# KiCad board audio-latency-tester-board.kicad_pcb (continued)
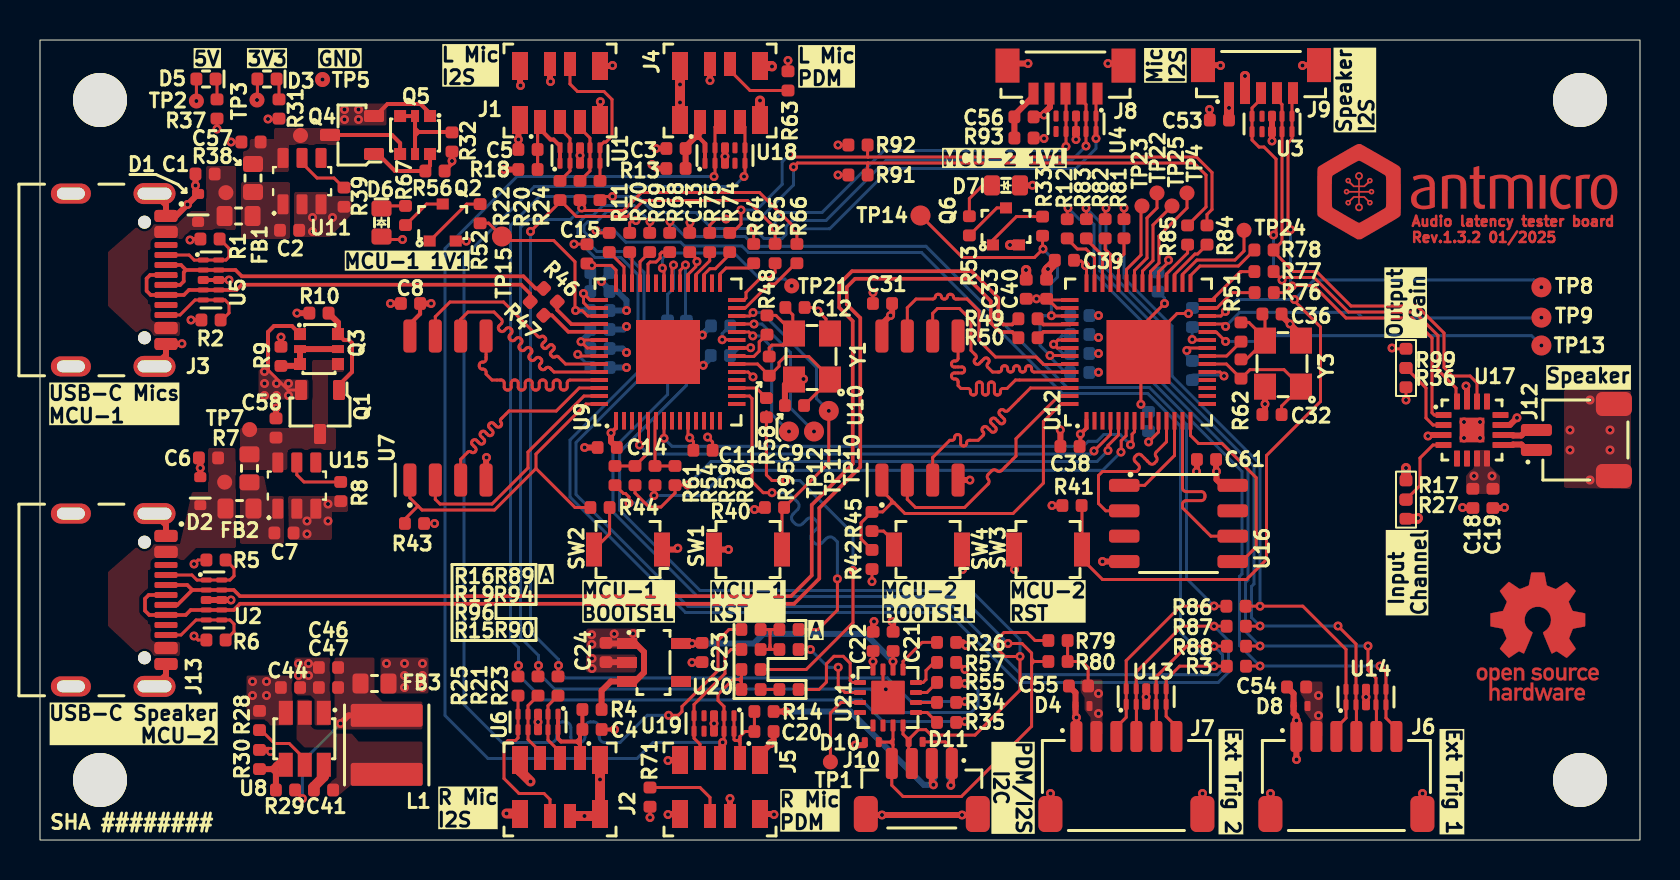
[diagram p0: board, top side]
## Routing (per net, layer and track width the routed paths; a pad name or vN(x,y) marks a point on that pad's centre or on a via; arc(x,y) is an arc through that point) (continued)
  Top w0.5: v1(36.6,38.67) 36.57,38.7 J4.MP ; J4.MP v1(32,36.88) v1(32,37.78) J4.MP ; v1(49.3,28.5) 49.31,28.49 C33.1 ; J2.MP 24,3.45 v1(24.53,2.93) ; Q6.2 48.5,29.75 v1(48.5,29.75) ; J2.2 v1(27.22,1.2) 27.9,1.2 J2.MP v1(28,3.03) J2.MP ; C39.1 50.74,28.89 v1(50.4,28.55) 50.4,28.53 50.33,28.46 C40.1 ; J4.MP v1(36,36.97) ; J9.2 v1(60.25,38.2) ; R17.1 v1(68.3,18.6) ; J2.MP 23.97,1.32 v1(23.33,1.32)
  Bottom w0.15: v1(52.93,26.22) 52.92,26.22 C52.1 ; 52.47,25.21 52.84,25.21 v1(52.93,25.12) ; v1(57.43,26.33) 57.62,26.53 C42.1 ; v1(55.04,21.78) C34.1 ; C50.1 v1(52.93,24.33) ; v1(52.93,23.39) 52.91,23.38 C51.1 ; v1(59.2,23.2) 59.16,23.25 57.62,23.25 ; v1(56.22,26.83) 56.22,27.09 C43.1
  Bottom w0.3: C59.1 28.47,28.33 v1(28.07,27.92) 28.47,27.53 C10.1 28.88,27.42 29.32,26.97 v1(29.32,26.47) C35.1 ; C30.1 v1(29.32,23.62) ; C17.1 33.12,25.28 v1(33.12,25.25) ; v1(29.32,25.67) 29.18,25.53 C29.1 ; C16.1 29.12,24.58 v1(29.32,24.38) ; 45.54,3.05 45.44,3.15 ; v1(45.54,2.74) 45.54,3.2 ; 33.62,24.22 33.62,24.19 v1(33.16,23.73)
  vias: v1(12.92,8.82) v1(12.92,8.22) v1(13.35,15.95) v1(13.35,15.3) v1(13.42,8.82) v1(13.42,8.22) v1(13.62,31.12) v1(13.62,30.42) v1(14.12,38.03) v1(14.4,16.8) v1(14.4,15.95) v1(14.62,31.12) v1(27.6,9.07) v1(27.6,8.57) v1(71.2,20.9) v1(71.2,20.1) v1(72,20.9) v1(72,20.1) v1(76.5,20.5) v1(76.5,19.5) v1(77.5,22) v1(77.5,18) v1(78.5,20.5) v1(78.5,19.5)
/2xUSB + Power/USB1.D_N: length 21.6
  Top w0.182: 6.78,27.81 6.72,27.75 J3.A7 ; 6.26,27.71 J3.A7 ; J3.A7 7.01,27.75 7.19,27.93 7.19,28.39 7.3,28.5 ; 7.3,28.5 U5.2 U5.9 9.78,28.5 10.09,28.19 24.17,28.19 24.78,27.58 R46.1 ; 7.3,28.5 7.05,28.75 J3.B7 6.26,28.79 ; 25.23,27.36 25.23,27.39
/2xUSB + Power/USB1.D_P: length 22.2
  Top w0.182: R47.1 24.51,27.31 24.06,27.77 10.09,27.77 9.83,27.5 U5.7 U5.4 7.45,27.5 7.2,27.25 J3.B6 5.53,27.25 5.33,27.45 5.33,28.08 5.5,28.25 J3.A6 6.72,28.25 6.78,28.19
/2xUSB + Power/USB1_CC1: length 4.4
  Top w0.15: R1.1 9.45,29.58 9.45,29.15 9.3,29 U5.10 U5.1 8.16,29 7.71,29 7.45,29.25 J3.A5
/2xUSB + Power/USB1_CC2: length 4.6
  Top w0.15: R2.1 9.1,26 9.45,26.35 9.45,26.8 9.25,27 U5.6 U5.5 7.75,27 7,26.25 J3.B5
/2xUSB + Power/USB1_VBUS: length 4.2
  Top w0.2: Q5.4 18,34.84 17.6,35.25 Q4.3
/2xUSB + Power/USB2.D_N: length 61.3
  Top w0.182: J13.B7 7.36,12.75 7.61,12.5 ; J13.A7 6.87,11.75 7.61,12.5 ; R49.1 48.9,26.06 48.61,25.78 48.17,25.78 47.92,26.03 47.92,27.1 46.58,28.44 40.6,28.44 39.96,27.8 39.96,26.62 40.64,25.95 40.64,18.8 38.59,16.75 38.59,13.23 37.55,12.19 10,12.19 9.69,12.5 U2.2 7.61,12.5
/2xUSB + Power/USB2.D_P: length 62.6
  Top w0.182: J13.A6 5.44,12.25 5.25,12.06 5.25,11.47 5.46,11.25 J13.B6 7.29,11.25 7.54,11.5 U2.4 9.69,11.5 10,11.81 37.7,11.81 38.96,13.07 38.96,16.6 41.01,18.65 41.01,26.1 40.34,26.78 40.34,27.65 40.75,28.06 46.42,28.06 47.54,26.95 47.54,25.87 48.01,25.4 48.61,25.4 48.9,25.11 R50.1
/2xUSB + Power/USB2_CC1: length 4.6
  Top w0.15: R5.1 9.7,13.58 9.7,13.2 9.5,13 U2.1 7.84,13 7.59,13.25 J13.A5
/2xUSB + Power/USB2_CC2: length 4.8
  Top w0.15: R6.1 9.7,10.42 9.7,10.8 9.5,11 U2.6 U2.5 7.8,11 7.05,10.25 J13.B5
/AMP + Speaker Connector/GAIN: length 3.9
  Top w0.15: 70.18,20.75 69.65,20.75 69.3,21.1 69.3,22.6 R99.1
/AMP + Speaker Connector/I2S.SCK: length 23.7
  Top w0.15: v1(61.68,30.25) 61.8,30.38 61.8,34.05 61.2,34.65 60.95,34.65 60.6,35 U3.5 60.6,36.6 61.05,37.05 J9.3 ; U17.16 70.8,21.97 70.8,22.6 69.9,23.5 69.9,25.22 68.72,26.4 65.42,26.4 63.7,28.12 62.22,28.12 v1(62.1,28) R77.2
  Bottom w0.15: v1(62.1,28) 61.68,28.42 v1(61.68,30.25)
/AMP + Speaker Connector/I2S.SD: length 23.4
  Top w0.15: v1(62.52,30.52) 62.43,30.52 62.4,30.55 62.4,34.85 62.6,35.05 62.6,37.3 J9.5 ; R76.2 62.28,27.37 v1(62.61,27.7) 62.63,27.72 63.68,27.72 65.3,26.1 68.6,26.1 69.6,25.1 69.6,21.36 69.71,21.25 70.18,21.25
  Bottom w0.15: v1(62.52,30.52) 62.52,27.82 62.61,27.74 v1(62.61,27.7)
/AMP + Speaker Connector/I2S.WS: length 23
  Top w0.15: U17.14 71.85,22.86 71.51,23.2 70.62,23.2 70.2,23.62 70.2,25.35 68.85,26.7 65.55,26.7 63.82,28.42 62.68,28.42 61.68,29.42 R78.2 62.1,29.92 U3.2 62.1,36.78 61.85,37.03 J9.4
/AMP + Speaker Connector/SPK_N: length 1.9
  Top w0.3: U17.10 73.63,20.25 73.65,20.22 74.07,20.22 74.34,20.5 J12.2
/AMP + Speaker Connector/SPK_P: length 1.9
  Top w0.3: J12.1 74.34,19.5 74.07,19.78 73.65,19.78 73.63,19.75 U17.9
/AMP + Speaker Connector/~{SD_MODE}: length 3.8
  Top w0.15: 70.18,19.75 69.65,19.75 69,19.1 69,17.72 R27.1
/IO/TRIGGER1.TRIG1: length 33.8
  Top w0.15: 54.2,31.04 54.2,31.6 v1(54.2,31.6) ; R86.1 v1(61,11.69) 63.14,11.69 65.3,9.53 U14.10 U14.1 65.3,6.1 64.82,5.62 64.82,5.18
  Bottom w0.15: v1(61,11.69) 61,18.8 56.6,23.2 56.6,25.7 54.2,28.1 v1(54.2,31.6)
/IO/TRIGGER1.TRIG2: length 35.3
  Top w0.15: v1(64.9,10.7) 65.8,9.8 U14.9 U14.2 65.82,6.74 65.82,5.18 ; R87.1 60.99,10.69 v1(61,10.7) ; v1(53.3,31.6) 53.26,31.56 53.26,31.04
  Bottom w0.15: v1(53.3,31.6) 53.3,28.58 56.3,25.58 56.3,23.08 60.7,18.68 60.7,12.8 60.57,12.67 60.57,11.12 v1(61,10.7) v1(64.9,10.7)
/IO/TRIGGER1.TRIG3: length 37
  Top w0.15: R88.1 60.31,9.7 v1(61,9.7) ; v1(52.3,31.6) 52.32,31.58 52.32,31.04 ; 66.82,5.18 66.82,6.74 U14.4 U14.7 66.8,8.1 66.4,8.5 v1(66.4,9.7)
  Bottom w0.15: v1(66.4,9.7) v1(61,9.7) 60.28,10.43 60.28,12.88 60.4,13 60.4,18.55 56,22.95 56,25.45 53,28.45 53,30.9 v1(52.3,31.6)
/IO/TRIGGER1.TRIG4: length 38.4
  Top w0.15: R3.1 60.31,8.7 v1(61,8.7) ; v1(67,8.7) 67.3,8.4 U14.6 U14.5 67.3,6.1 67.82,5.58 67.82,5.18 ; R12.2 51.36,31.56 v1(51.4,31.6)
  Bottom w0.15: v1(67,8.7) v1(61,8.7) 59.97,9.72 59.97,13.17 60.1,13.3 60.1,18.43 55.7,22.83 55.7,25.33 52.7,28.33 52.7,30.78 52.44,31.04 51.96,31.04 v1(51.4,31.6)
/IO/TRIGGER2.TRIG1: length 50.4
  Top w0.15: R86.2 58.71,11.69 v1(58.7,11.7) 58.69,11.69 57.03,11.69 54.31,8.97 U13.1 54.31,6.13 53.82,5.65 53.82,5.18 ; R68.2 31.49,30.91 v1(31.5,30.92)
  Bottom w0.15: v1(58.7,11.7) 57.32,13.08 57.32,20.78 55.47,22.62 51.36,22.62 44.3,29.69 35.75,29.69 35.26,30.17 32.25,30.17 v1(31.5,30.92)
/IO/TRIGGER2.TRIG2: length 70.2
  Top w0.15: R87.2 v1(58.7,10.69) 57.1,10.69 54.81,8.4 U13.2 54.82,6.77 54.82,5.18 ; R69.2 30.49,30.91 v1(30.5,30.92)
  Bottom w0.15: v1(58.7,10.69) 59.43,9.97 59.43,8.39 58.91,7.88 48.9,7.88 45.4,11.38 32.28,11.38 26.5,17.15 26.5,20 29.9,23.4 29.9,28.26 29.03,29.12 27.75,29.12 27.3,29.58 27.3,29.92 26.9,30.33 26.9,30.83 27.3,31.22 27.65,31.22 28.15,31.72 29.7,31.72 v1(30.5,30.92)
/IO/TRIGGER2.TRIG3: length 65.5
  Top w0.15: R70.2 29.49,30.86 29.6,30.97 v1(29.8,30.97) ; R88.2 v1(58.7,9.69) 57.34,9.69 55.81,8.16 U13.4 55.82,6.77 55.82,5.18
  Bottom w0.15: v1(29.8,30.97) 29.35,31.42 28.35,31.42 27.85,30.92 27.4,30.92 27.2,30.72 27.2,30.42 27.6,30.03 27.6,29.67 27.85,29.42 29.16,29.42 30.2,28.38 30.2,23.28 26.8,19.88 26.8,17.28 32.4,11.68 45.65,11.68 49.06,8.26 58.88,8.26 59.12,8.51 59.12,9.26 v1(58.7,9.69)
/IO/TRIGGER2.TRIG4: length 53
  Top w0.15: R3.2 v1(58.7,8.69) 56.98,8.69 56.31,8.02 U13.5 56.31,6.18 56.82,5.67 56.82,5.18 ; v1(27.8,30.47) 27.92,30.36 R11.2
  Bottom w0.15: v1(27.8,30.47) 28.71,30.47 29.29,29.89 32.03,29.89 32.22,29.7 35.1,29.7 35.43,29.38 44.07,29.38 51.12,22.33 55.39,22.33 57.03,20.69 57.03,10.37 v1(58.7,8.69)
/L + R I2S Microphone Connectors/L-BCLK: length 3.4
  Top w0.15: J1.3 26,35.58 26.5,35.08 U1.9 U1.2 26.5,33.45 R22.1
/L + R I2S Microphone Connectors/L-DATA: length 3.4
  Top w0.15: R20.1 27.5,33.45 U1.4 U1.7 27.5,35.1 27,35.6 J1.5
/L + R I2S Microphone Connectors/L-PWR: length 7.2
  Top w0.15: 24.88,35.78 C5.2 R18.1 24.88,35.78 ; 24.88,35.78 J1.1
  Top w0.2: J1.1 25,35.55 25.53,35.03 25.67,35.03 26,34.7 U1.10 U1.1
/L + R I2S Microphone Connectors/L-R-Mic.SCK: length 78.7
  Top w0.15: v1(46.25,6.93) 45.85,6.93 R34.2 ; v1(25.92,8.72) 25.9,8.7 R23.2 ; J8.3 51.3,37.29 U4.4 U4.7 51.3,34.68 v1(51.3,34.67) ; R65.2 v1(36.75,30.58) 36.75,30.6 35.38,31.97 30.18,31.97 29.38,31.17 26.82,31.17 26,32 26,31.9 v1(24.53,30.42)
  Bottom w0.15: v1(24.53,30.42) 24.53,10.43 25.92,9.03 v1(25.92,8.72) 25.92,8.45 26.27,8.1 42.37,8.1 43.55,6.93 v1(46.25,6.93) ; v1(36.75,30.58) 36.75,31.03 37.1,31.38 39.1,31.38 42.2,34.47 51.1,34.47 v1(51.3,34.67)
/L + R I2S Microphone Connectors/L-R-Mic.SD: length 84.2
  Top w0.15: J8.5 52.8,37.25 U4.1 U4.10 v1(52.8,35.08) ; R66.2 37.84,30.51 v1(37.79,30.56) 35.97,32.38 30.07,32.38 29.18,31.47 27.17,31.47 27,31.65 27,32 ; v1(46.25,7.82) 45.87,7.82 R55.2 ; v1(24.92,8.72) 24.9,8.7 R21.2
  Bottom w0.15: v1(27.09,31.6) 27.09,31.59 26.53,31.03 24.42,31.03 24.03,30.62 24.03,10.12 24.92,9.22 v1(24.92,8.72) 24.92,8.35 25.73,7.54 41.53,7.54 42.7,6.38 46.55,6.38 46.9,6.72 46.9,7.47 46.55,7.82 v1(46.25,7.82) ; v1(37.79,30.56) 39.49,30.56 42.5,33.58 51.8,33.58 52.8,34.58 v1(52.8,35.08)
/L + R I2S Microphone Connectors/L-R-Mic.WS: length 83.5
  Top w0.15: v1(35.7,30.58) 35.69,30.56 R64.2 ; R25.2 23.9,8.7 v1(23.92,8.72) ; J8.4 52.07,37 52.3,36.78 U4.2 U4.9 v1(52.3,34.7) ; v1(28.62,32.17) 28.18,32.17 28,32 ; v1(46.25,5.93) 45.85,5.93 R35.2
  Bottom w0.15: v1(46.25,5.93) 42.15,5.93 41.07,7 25.17,7 23.92,8.25 v1(23.92,8.72) 23.92,9.62 23.53,10.03 23.53,30.72 24.97,32.17 v1(28.62,32.17) 29.9,32.17 30.7,31.38 32.8,31.38 33.6,30.58 v1(35.7,30.58) 36.2,30.08 37.1,30.08 37.3,30.28 37.3,30.68 37.61,30.99 38.19,30.99 38.2,30.97 39.3,30.97 42.3,33.97 51.57,33.97 v1(52.3,34.7)
/L + R I2S Microphone Connectors/L-WS: length 7.8
  Top w0.15: R24.1 28,33.84 U1.5 28,34.7 28.2,34.9 28.3,34.9 28.6,35.2 28.6,37.03 28.2,37.42 26.88,37.42 26.5,37.8 J1.4
/L + R I2S Microphone Connectors/R-BCLK: length 3.6
  Top w0.15: J2.3 26,4.4 25.4,5 U6.2 25.4,6.72 R23.1
/L + R I2S Microphone Connectors/R-DATA: length 3.6
  Top w0.15: R21.1 24.4,6.72 U6.4 U6.7 24.4,5.02 25,4.43 J2.5
/L + R I2S Microphone Connectors/R-PWR: length 5.8
  Top w0.2: 27,5.07 J2.1 27,4.78 26.85,4.93 ; 27,5.07 27,5.41 C4.2 R4.1 ; 27,5.07 26.85,4.93 ; 26.85,4.93 26.05,4.93 25.9,5.07 U6.10 U6.1
/L + R I2S Microphone Connectors/R-WS: length 8.2
  Top w0.15: R25.1 23.9,7.22 U6.5 23.9,5.1 23.78,4.97 23.4,4.97 23.2,4.78 23.2,3.07 23.95,2.32 25.2,2.32 25.5,2.03 J2.4
/L + R PDM Microphone Connectors + I2S Converter/I2C.SCL: length 51.2
  Top w0.15: 42.65,5.03 42.65,4.76 ; 42.65,5.03 U21.7 ; 42.65,5.03 42.65,5.03 42.52,4.9 ; 42.65,4.76 42.52,4.9 ; 42.65,4.76 42.65,3.88 J10.4 42.59,2.74 43.15,2.18 46.07,2.18 49.58,5.69 49.58,8.78 ; 49.58,9.07 49.58,9.34 49.1,9.82 v1(48.4,9.82) ; 49.58,9.07 49.58,9.04 49.7,8.93 ; 49.58,9.07 49.58,8.93 ; 42.52,4.9 D10.2 ; R80.1 49.7,8.93 ; 49.7,8.93 49.58,8.81 49.58,8.78 ; 49.7,8.93 49.58,8.93 ; 49.58,8.93 49.58,8.78
  Bottom w0.15: R73.2 31.38,22.28 28.65,19.54 28.65,16.41 32.88,12.17 46.05,12.17 v1(48.4,9.82)
/L + R PDM Microphone Connectors + I2S Converter/I2C.SDA: length 48.7
  Top w0.15: D11.2 43.43,5.01 43.15,5.29 U21.8 ; D11.2 43.43,5.03 43.92,5.51 44.29,5.51 44.56,5.25 46.75,5.25 49,7.5 v1(49,9.18) 48.25,9.18 47.9,9.53 47.9,10.07 48.2,10.38 49.35,10.38 49.75,9.97 R79.1 ; D11.2 43.43,3.98 J10.3
  Bottom w0.15: v1(49,9.18) 49,10.03 46.55,12.47 33,12.47 28.98,16.5 28.98,19.39 32.32,22.73 R72.2
/L + R PDM Microphone Connectors + I2S Converter/L-PDM-DATA: length 62.1
  Top w0.15: R16.1 34.45,10.53 33.9,9.97 33.9,8.47 32.1,6.68 32.1,6.43 31.91,6.24 v1(31.43,6.24) ; J4.5 35.25,35.65 U18.6 U18.5 35.25,33.22 v1(35.2,33.17)
  Bottom w0.15: v1(31.43,6.24) 30.36,6.24 29,4.88 28.24,4.88 arc(28.04,4.96) 27.96,5.16 27.96,5.62 arc(27.88,5.82) 27.68,5.91 27.53,5.91 arc(27.33,5.82) 27.25,5.62 27.25,5.16 arc(27.17,4.96) 26.97,4.88 26.82,4.88 arc(26.62,4.96) 26.54,5.16 26.54,5.62 arc(26.46,5.82) 26.26,5.91 26.11,5.91 arc(25.91,5.82) 25.83,5.62 25.83,5.16 arc(25.75,4.96) 25.55,4.88 23.1,4.88 21.2,6.78 21.2,29.15 24.72,32.67 34.7,32.67 v1(35.2,33.17)
/L + R PDM Microphone Connectors + I2S Converter/L-PWR: length 5.1
  Top w0.2: J4.1 32.97,35.88 32.97,35.1 ; 32.97,35.1 33.25,34.83 U18.10 U18.1 ; 32.97,35.1 32.72,35.1 32.69,35.08
  Top w0.3: J4.1 33,35.39 32.28,34.67 C3.2 R13.1
/L + R PDM Microphone Connectors + I2S Converter/L-R-Mic.CLOCK: length 18.7
  Top w0.15: v1(40.65,13.47) 40.65,10.87 38.31,8.53 R96.1 ; 36.32,21.42 36.32,18.25 36.6,17.97 v1(37.29,17.97)
  Bottom w0.15: v1(37.29,17.97) 37.99,17.97 40.65,15.31 v1(40.65,13.47)
/L + R PDM Microphone Connectors + I2S Converter/L-R-Mic.DATA: length 18.7
  Top w0.15: 34.8,22.2 35.47,22.2 35.6,22.08 35.6,17.92 36.16,17.36 v1(36.6,17.36) ; R89.2 38.9,10.53 39.87,11.5 v1(39.87,13.06)
  Bottom w0.15: v1(36.6,17.36) 37.41,17.36 37.87,16.9 arc(37.95,16.71) 37.87,16.52 37.66,16.3 arc(37.58,16.11) 37.66,15.92 37.75,15.82 arc(37.94,15.74) 38.14,15.82 38.35,16.04 arc(38.55,16.12) 38.74,16.04 38.83,15.94 arc(38.91,15.75) 38.83,15.56 38.62,15.34 arc(38.54,15.15) 38.62,14.95 38.71,14.86 arc(38.91,14.78) 39.1,14.86 39.32,15.08 arc(39.51,15.15) 39.7,15.08 39.87,14.91 v1(39.87,13.06)
/L + R PDM Microphone Connectors + I2S Converter/PDM-CLK: length 62.7
  Top w0.15: v1(33.7,33.17) 33.75,33.22 U18.2 U18.9 33.75,35.65 J4.3 ; 35.07,8.12 R15.2 35.07,7.91 34.95,8.03 ; 35.07,8.12 R96.2 ; 35.07,8.12 34.97,8.03 34.95,8.03 ; J5.3 34,4.75 34.2,4.95 U19.9 U19.2 34.2,6.68 33.9,6.97 33.9,7.28 34.65,8.03 34.95,8.03
  Bottom w0.15: v1(33.7,33.17) 23.85,33.17 20.25,29.58 20.25,6.22 22.4,4.07 29.85,4.07 30.66,4.88 v1(34.13,4.88)
/L + R PDM Microphone Connectors + I2S Converter/PDM-CONV-CLOCK: length 0.9
  Top w0.15: R90.1 R15.1
/L + R PDM Microphone Connectors + I2S Converter/PDM-CONV-DATA: length 4.5
  Top w0.15: U21.2 40.25,7.38 39.91,7.72 v1(39.91,8.63) ; v1(38.52,9.53) R94.1
  Bottom w0.15: v1(39.91,8.63) 39.41,8.63 v1(38.52,9.53)
/L + R PDM Microphone Connectors + I2S Converter/R-PDM-DATA: length 6.8
  Top w0.15: J5.5 33,4.79 32.7,5.09 U19.6 U19.5 32.7,6.78 34.25,8.32 34.25,9.22 34.55,9.53 R19.1
/L + R PDM Microphone Connectors + I2S Converter/R-PWR: length 4.7
  Top w0.15: 35,4.97 35,4.88 ; 35,4.97 34.9,4.97 ; 35,4.97 35,5.07 ; 35,4.88 34.9,4.97 ; 35,4.88 J5.1 ; 34.9,4.97 34.75,4.97 34.7,5.03 U19.10 U19.1 ; 34.9,4.97 35,5.07 ; 35,5.07 35,5.18 35.25,5.43 C20.2 R14.1
/RP2040 - 1/BOOTSEL: length 2.4
  Top w0.15: SW2.2 28.48,15.3 R44.1
/RP2040 - 1/I2C0.SCL: length 30.8
  Top w0.15: R85.2 58.3,31.65 58.3,33.25 57.7,33.85 41.4,33.85 ; 41.4,33.85 41.38,33.83 R91.1 ; 41.4,33.85 37.88,33.85 v1(37.68,33.65) ; R75.2 33.49,30.73 33.8,31.05 v1(34.3,31.05)
  Bottom w0.15: v1(37.68,33.65) 37.68,32.75 35.97,31.05 v1(34.3,31.05)
/RP2040 - 1/I2C0.SDA: length 30.5
  Top w0.15: v1(37.5,34.28) 37.62,34.15 41.4,34.15 ; R84.2 58.35,31.28 58.6,31.53 58.6,33.37 57.82,34.15 41.4,34.15 ; 41.4,34.15 41.38,34.17 R92.1 ; v1(35.05,31.5) 35.05,30.8 34.6,30.36 R74.2
  Bottom w0.15: v1(35.05,31.5) 35.82,31.5 37.11,32.78 37.11,33.9 37.48,34.28 v1(37.5,34.28)
/RP2040 - 1/QSPI_CSn: length 17.9
  Top w0.15: 28,21.8 27.3,21.8 24.8,19.3 24.8,18.58 ; 18.9,16.7 18.5,17.11 U7.1 ; 18.9,16.7 19.1,16.5 22.72,16.5 24.8,18.58 ; 18.9,16.7 18.25,16.05 R43.2 ; 24.8,18.58 26.75,16.62 R44.2
/RP2040 - 1/QSPI_SCLK: length 12
  Top w0.15: U7.6 21.03,26.03 21.4,26.4 22.7,26.4 23.08,26.03 arc(23.12,25.93) 23.08,25.83 22.95,25.71 arc(22.91,25.61) 22.95,25.51 23,25.46 arc(23.1,25.42) 23.2,25.46 23.32,25.58 arc(23.42,25.62) 23.52,25.58 23.57,25.53 arc(23.61,25.43) 23.57,25.33 23.48,25.25 arc(23.44,25.15) 23.48,25.05 23.53,25 arc(23.63,24.96) 23.73,25 23.82,25.08 arc(23.92,25.13) 24.02,25.08 24.06,25.04 arc(24.11,24.94) 24.06,24.84 23.98,24.75 arc(23.94,24.65) 23.98,24.55 24.03,24.5 arc(24.13,24.46) 24.23,24.5 24.31,24.59 arc(24.41,24.63) 24.51,24.59 24.56,24.54 arc(24.6,24.44) 24.56,24.34 24.47,24.26 arc(24.43,24.16) 24.47,24.06 24.52,24.01 arc(24.62,23.97) 24.72,24.01 24.81,24.09 arc(24.91,24.14) 25.01,24.09 25.05,24.05 arc(25.1,23.95) 25.05,23.85 25,23.8 arc(24.96,23.7) 25,23.6 25.05,23.55 arc(25.15,23.51) 25.25,23.55 25.3,23.6 arc(25.4,23.64) 25.5,23.6 25.7,23.4 28,23.4
/RP2040 - 1/QSPI_SD0: length 12
  Top w0.15: 28,23 26.5,23 arc(26.4,22.96) 26.36,22.86 26.36,22.64 arc(26.32,22.54) 26.22,22.5 26.15,22.5 arc(26.05,22.54) 26.01,22.64 26.01,22.86 arc(25.97,22.96) 25.87,23 25.8,23 arc(25.7,22.96) 25.66,22.86 25.66,22.64 arc(25.62,22.54) 25.52,22.5 25.45,22.5 arc(25.35,22.54) 25.31,22.64 25.31,22.86 arc(25.27,22.96) 25.17,23 25.1,23 arc(25,22.96) 24.96,22.86 24.96,22.64 arc(24.92,22.54) 24.82,22.5 24.75,22.5 arc(24.65,22.54) 24.61,22.64 24.61,22.86 arc(24.57,22.96) 24.47,23 24.4,23 arc(24.3,22.96) 24.26,22.86 24.26,22.64 arc(24.22,22.54) 24.12,22.5 24.05,22.5 arc(23.95,22.54) 23.91,22.64 23.91,22.86 arc(23.87,22.96) 23.77,23 23.7,23 arc(23.6,22.96) 23.56,22.86 23.56,22.64 arc(23.52,22.54) 23.42,22.5 23.35,22.5 arc(23.25,22.54) 23.21,22.64 23.21,22.86 arc(23.17,22.96) 23.07,23 22.6,23 22.3,23.3 22.3,23.41 arc(22.26,23.5) 22.16,23.55 22.1,23.55 arc(22.01,23.59) 21.96,23.69 21.96,23.76 arc(22.01,23.85) 22.1,23.9 22.16,23.9 arc(22.26,23.94) 22.3,24.04 U7.5
/RP2040 - 1/QSPI_SD1: length 12
  Top w0.15: 28,22.2 27.2,22.2 24.4,19.4 24.4,18.6 22.6,16.8 20,16.8 19.77,17.03 U7.2
/RP2040 - 1/QSPI_SD2: length 12
  Top w0.15: 28,22.6 26.96,22.6 25.81,21.45 23.45,21.45 23.05,21.05 arc(23.01,20.97) 23.05,20.88 arc(23.08,20.8) 23.05,20.71 23.01,20.67 arc(22.92,20.63) 22.84,20.67 22.67,20.84 arc(22.58,20.87) 22.5,20.84 22.46,20.79 arc(22.42,20.71) 22.46,20.63 22.63,20.46 arc(22.66,20.37) 22.63,20.29 22.58,20.24 arc(22.5,20.21) 22.41,20.24 22.24,20.41 arc(22.16,20.45) 22.08,20.41 22.03,20.37 arc(22,20.29) 22.03,20.2 22.2,20.03 arc(22.24,19.95) 22.2,19.86 22.16,19.82 arc(22.07,19.79) 21.99,19.82 21.82,19.99 arc(21.74,20.02) 21.65,19.99 21.61,19.95 arc(21.57,19.86) 21.61,19.78 21.78,19.61 arc(21.81,19.52) 21.78,19.44 21.73,19.4 arc(21.65,19.36) 21.56,19.4 arc(21.48,19.43) 21.4,19.4 21.03,19.03 U7.3
/RP2040 - 1/QSPI_SD3: length 12
  Top w0.15: 28,23.8 26.28,23.8 25.91,24.16 arc(25.84,24.19) 25.77,24.16 arc(25.7,24.13) 25.62,24.16 25.54,24.24 arc(25.51,24.31) 25.54,24.39 25.69,24.53 arc(25.72,24.61) 25.69,24.68 25.63,24.75 arc(25.55,24.78) 25.48,24.75 25.33,24.6 arc(25.26,24.57) 25.18,24.6 25.12,24.66 arc(25.09,24.74) 25.12,24.81 25.26,24.96 arc(25.29,25.03) 25.26,25.1 25.2,25.17 arc(25.12,25.2) 25.05,25.17 arc(24.98,25.14) 24.91,25.17 23.17,26.9 20.5,26.9 19.77,26.17 U7.7
/RP2040 - 1/RUN: length 15.6
  Top w0.15: v1(35.65,26.37) 35.48,26.2 34.8,26.2 ; SW1.2 37.1,16.52 R40.2 39.44,18.86 v1(39.44,21.45)
  Bottom w0.15: v1(35.65,26.37) 36.08,26.37 38.82,23.62 38.82,22.07 v1(39.44,21.45)
/RP2040 - 1/SPI0.MISO: length 29.1
  Top w0.15: 54.31,20.98 54.31,20.21 54.06,19.96 54.06,19.41 v1(54.05,19.4) ; v1(29.45,16.85) 29.45,17.15 29.28,17.33 29.18,17.33 28.76,17.74 R61.2 ; R59.2 30.75,17.28 v1(30.7,17.22)
  Bottom w0.15: v1(29.45,16.85) 30.32,16.85 v1(30.7,17.22) 33.08,17.22 34.34,18.48 53.13,18.48 v1(54.05,19.4)
/RP2040 - 1/SPI0.MOSI: length 27.5
  Top w0.15: v1(32.38,17.75) 31.76,17.75 R60.2 31.75,17.35 31.05,16.65 30.45,16.65 29.75,17.35 R54.2 ; 53.93,21 53.93,20.25 53.4,19.73 v1(53.4,19.47)
  Bottom w0.15: v1(53.4,19.47) 52.85,18.92 33.55,18.92 v1(32.38,17.75)
/RP2040 - 1/SPI0.SCK: length 26.2
  Top w0.15: v1(52.7,19.45) 53.53,20.28 53.53,21 ; 30,21 29.97,20.97 v1(29.97,19.75)
  Bottom w0.15: 52.72,19.44 v1(52.7,19.45) 52.54,19.3 30.43,19.3 v1(29.97,19.75)
/RP2040 - 1/SPI0.~{CS0}: length 26.2
  Top w0.15: v1(54.52,19.76) 54.61,19.84 54.61,20.29 54.72,20.41 54.72,21 ; 31.2,21 v1(31.2,20.08)
  Bottom w0.15: v1(54.52,19.76) 54.01,20.28 53.19,20.28 52.85,19.94 52.41,19.94 52.16,19.69 31.6,19.69 v1(31.2,20.08)
/RP2040 - 1/SWCLK: length 6.7
  Top w0.15: v1(35.64,25.2) 35.44,25.4 34.8,25.4
  Bottom w0.15: v1(35.64,25.2) 36.01,25.2 36.59,24.64 36.59,21.29 v1(37.45,20.42)
/RP2040 - 1/SWDIO: length 7.8
  Top w0.15: v1(35.7,25.8) 34.8,25.8
  Bottom w0.15: v1(38.7,20.42) 37.53,21.6 37.53,24.38 36.1,25.8 v1(35.7,25.8)
/RP2040 - 1/XIN: length 8.3
  Top w0.15: 39.3,23.22 39.3,22.82 ; U9.20 35.88,23.8 36.32,23.36 36.32,23.02 ; C9.2 39.5,23.02 Y1.1 39.5,23.12 38.44,24.17 37.25,24.17 36.95,23.87 36.95,23.69 36.56,23.3 36.46,23.3
/RP2040 - 1/XOUT: length 2.3
  Top w0.15: 36.32,25.27 35.96,24.91 35.96,24.44 35.69,24.18 34.82,24.18 34.8,24.2
/RP2040 - 1/XOUT_R: length 5.8
  Top w0.15: 36.32,24.23 36.38,24.17 R58.2 36.46,24.61 36.6,24.75 37.12,24.75 Y1.3 ; Y1.3 37.64,25.39 37.64,26.25 C12.2 ; Y1.3 36.79,26.23 R48.1 36.32,26.23 ; 37.5,25.22 37.5,25.32 37.27,25.55
/RP2040 - 2/BOOTSEL: length 1.8
  Top w0.15: R45.1 42.18,15.44 42.7,14.92 SW4.2 42.65,14.47 42.65,14.42
/RP2040 - 2/I2C1.SCL: length 4.5
  Top w0.15: TP25.1 55.65,30.75 55.65,28.97 55.12,28.45 55.12,27.8
/RP2040 - 2/I2C1.SDA: length 5.3
  Top w0.15: TP4.1 57.35,31.6 55.95,30.2 55.95,28.85 55.53,28.42 55.53,27.8
/RP2040 - 2/QSPI_CSn: length 18.3
  Top w0.15: 42.57,17 42.72,16.85 ; 42.57,17 42.57,16.85 ; 42.57,17 42.09,17.47 U10.1 ; 42.72,16.85 43.24,16.33 48.65,16.33 50.17,17.84 50.17,20.92 51.05,21.8 51.53,21.8 ; 42.72,16.85 42.57,16.85 ; 41.6,14.5 41.06,15.05 41.06,15.86 R45.2 42.13,16.41 42.57,16.85
/RP2040 - 2/QSPI_SCLK: length 12.5
  Top w0.15: U10.6 44.63,26.33 44.88,26.58 45.97,26.58 46.55,26 46.55,24.48 46.79,24.24 arc(46.82,24.16) 46.79,24.07 46.74,24.02 arc(46.7,23.94) 46.74,23.85 46.78,23.81 arc(46.86,23.78) 46.95,23.81 47.22,24.08 arc(47.3,24.11) 47.39,24.08 47.43,24.04 arc(47.46,23.95) 47.43,23.87 47.38,23.82 arc(47.34,23.73) 47.38,23.65 47.63,23.4 47.96,23.4 arc(48.04,23.44) 48.08,23.52 48.08,23.59 arc(48.12,23.67) 48.2,23.71 48.26,23.71 arc(48.34,23.67) 48.38,23.59 48.38,23.52 arc(48.42,23.44) 48.5,23.4 48.56,23.4 arc(48.64,23.44) 48.68,23.52 48.68,23.59 arc(48.72,23.67) 48.8,23.71 48.86,23.71 arc(48.94,23.67) 48.98,23.59 48.98,23.52 arc(49.02,23.44) 49.1,23.4 49.16,23.4 arc(49.24,23.44) 49.28,23.52 49.28,23.59 arc(49.32,23.67) 49.4,23.71 49.46,23.71 arc(49.54,23.67) 49.58,23.59 49.58,23.52 arc(49.62,23.44) 49.7,23.4 51.53,23.4
/RP2040 - 2/QSPI_SD0: length 12.5
  Top w0.15: U10.5 45.9,24.07 arc(45.87,23.99) 45.78,23.95 45.7,23.95 arc(45.61,23.92) 45.58,23.83 45.58,23.77 arc(45.61,23.69) 45.7,23.65 46.11,23.65 arc(46.19,23.62) 46.23,23.53 46.23,23.47 arc(46.19,23.39) 46.11,23.35 45.7,23.35 arc(45.61,23.32) 45.58,23.23 45.58,23.17 arc(45.61,23.09) 45.7,23.05 45.78,23.05 arc(45.87,23.02) 45.9,22.93 45.9,22.72 46.05,22.58 46.4,22.58 arc(46.48,22.54) 46.52,22.45 46.52,22.37 arc(46.56,22.29) 46.64,22.25 46.7,22.25 arc(46.78,22.29) 46.82,22.37 46.82,22.78 arc(46.86,22.86) 46.94,22.9 47,22.9 arc(47.08,22.86) 47.12,22.78 47.12,22.37 arc(47.16,22.29) 47.24,22.25 47.3,22.25 arc(47.38,22.29) 47.42,22.37 47.42,22.78 arc(47.46,22.86) 47.54,22.9 47.6,22.9 arc(47.68,22.86) 47.72,22.78 47.72,22.37 arc(47.76,22.29) 47.84,22.25 47.9,22.25 arc(47.98,22.29) 48.02,22.37 48.02,22.45 arc(48.06,22.54) 48.14,22.58 48.35,22.58 48.78,23 51.52,23
/RP2040 - 2/QSPI_SD1: length 12.5
  Top w0.15: U10.2 43.37,17.03 43.78,16.62 46.23,16.62 47.41,17.8 arc(47.46,17.92) 47.41,18.04 arc(47.36,18.16) 47.41,18.28 47.59,18.47 arc(47.71,18.52) 47.83,18.47 arc(47.95,18.42) 48.07,18.47 48.8,19.19 48.8,20.07 50.93,22.2 51.53,22.2
/RP2040 - 2/QSPI_SD2: length 12.5
  Top w0.15: U10.3 44.63,19.13 45.49,19.98 45.61,19.98 arc(45.7,20.02) 45.73,20.11 45.73,20.15 arc(45.77,20.23) 45.85,20.27 45.91,20.27 arc(46,20.23) 46.03,20.15 46.03,19.82 arc(46.07,19.74) 46.15,19.7 46.21,19.7 arc(46.3,19.74) 46.33,19.82 46.33,19.86 arc(46.37,19.95) 46.45,19.98 46.91,19.98 47.16,20.23 arc(47.19,20.32) 47.16,20.4 47.13,20.43 arc(47.09,20.52) 47.13,20.6 47.17,20.65 arc(47.25,20.68) 47.34,20.65 47.57,20.41 arc(47.65,20.38) 47.74,20.41 47.78,20.46 arc(47.82,20.54) 47.78,20.63 47.55,20.86 arc(47.52,20.94) 47.55,21.03 47.59,21.07 arc(47.68,21.1) 47.76,21.07 47.99,20.84 arc(48.08,20.8) 48.16,20.84 48.21,20.88 arc(48.24,20.97) 48.21,21.05 47.98,21.28 arc(47.94,21.37) 47.98,21.45 48.02,21.49 arc(48.1,21.53) 48.19,21.49 48.22,21.46 arc(48.3,21.43) 48.39,21.46 49.53,22.6 51.53,22.6
/RP2040 - 2/QSPI_SD3: length 12.5
  Top w0.15: 51.53,23.8 51.5,23.78 50.18,23.78 49.8,24.15 47.78,24.15 46.95,24.97 46.95,26.45 46.35,27.05 45.78,27.05 arc(45.7,27.08) 45.67,27.17 arc(45.63,27.25) 45.55,27.28 45.48,27.28 arc(45.4,27.25) 45.37,27.17 arc(45.33,27.08) 45.25,27.05 45.18,27.05 arc(45.1,27.08) 45.07,27.17 arc(45.03,27.25) 44.95,27.28 44.88,27.28 arc(44.8,27.25) 44.77,27.17 arc(44.73,27.08) 44.65,27.05 43.8,27.05 43.37,26.61 U10.7
